# Altium PCB DIO_MCX.PCBDOC (part 2 of 3)
Units mm, origin at the board's own origin, x right, y up, seen from the top; angles counter-clockwise.
Board outline 159.99 x 100 mm, 4 copper layers (L1, P2, P3, L4), stack 1.571 mm thick; 224 components, 126 nets, 876 pads, 343 vias.
Unrouted connection lines stored in the file: 1.
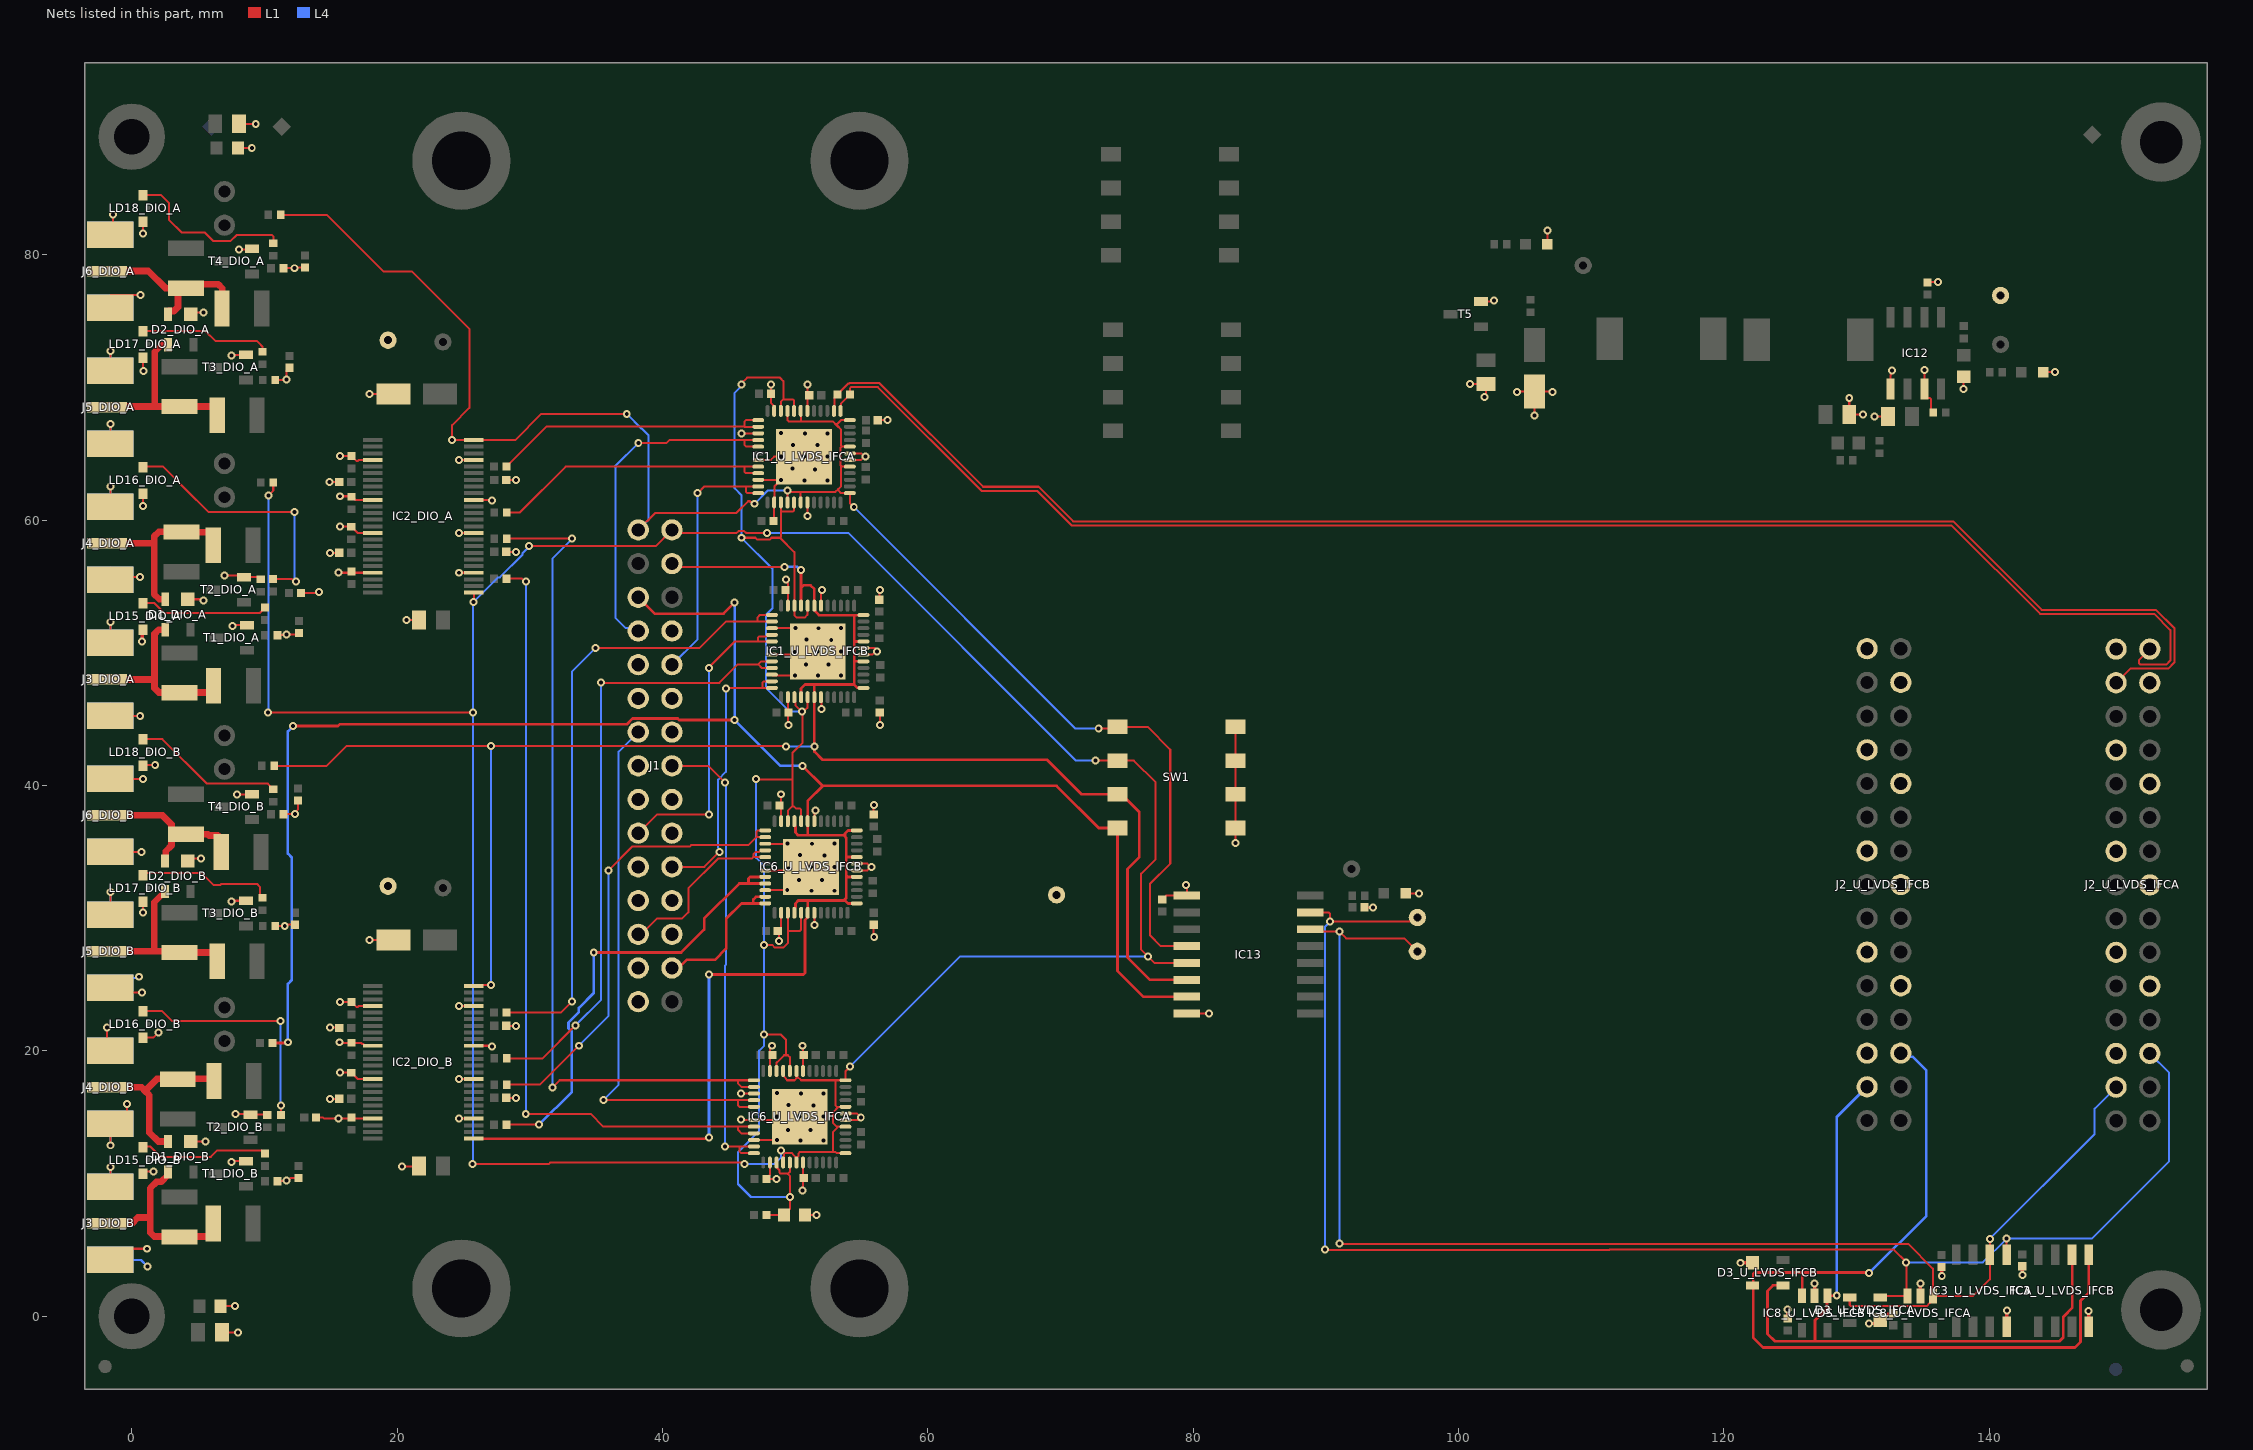
[diagram p4: the nets of this part, all layers, seen from the top]

## Part data
B1 B3 B4 B5 B6 B7 B8 B9_DIO_A B9_DIO_B B10_DIO_A B10_DIO_B: library part PLATED_HOLE0.6_PAD1.3, "Single Terminal Socket", Author="CERN DEM MR", ComponentHeight=0mm, Component Type="Standard (No BOM)", CreateDate=02.03.2016, Family="Plated Hole", HelpURL=Undefined, LatestRevisionDate=02.03.2016, Mounted=No, PackageDescription="Plated Through Hole: Hole Dia.=0.6mm Pad Dia.=1.3mm", Part Description="Plated Through Hole: Hole Dia.=0.6mm Pad Dia.=1.3mm", Part Number=PLATED_HOLE0.6_PAD1.3, Pin Count=1, Sense=No, SMD=No, Socket=No, Status=None
B13 B14: library part PLATED_HOLE2.7_PAD5.0, "Single Terminal Socket", Author="CERN DEM JMW", ComponentHeight=0mm, Component Type="Standard (No BOM)", CreateDate=27.09.2011, Family="Plated Hole", HelpURL=Undefined, LatestRevisionDate=27.09.2011, Mounted=No, PackageDescription="Plated Through Hole: Hole Dia.=2.7mm Pad Dia.=5.0mm", Part Description="Plated Through Hole: Hole Dia.=2.7mm Pad Dia.=5.0mm", Part Number=PLATED_HOLE2.7_PAD5.0, Pin Count=1, Sense=No, SMD=No, Socket=No, Status=None
C1_U_LVDS_IFCA C1_U_LVDS_IFCB C2_U_LVDS_IFCA C2_U_LVDS_IFCB C3_U_LVDS_IFCA C3_U_LVDS_IFCB C4_U_LVDS_IFCA C4_U_LVDS_IFCB C7_U_LVDS_IFCA C7_U_LVDS_IFCB C8_U_LVDS_IFCA C8_U_LVDS_IFCB C9_U_LVDS_IFCA C9_U_LVDS_IFCB C10_U_LVDS_IFCA C10_U_LVDS_IFCB C11_U_LVDS_IFCA C11_U_LVDS_IFCB C15_U_LVDS_IFCA C15_U_LVDS_IFCB C21_DIO_A C21_DIO_B C22_DIO_A C22_DIO_B C23_DIO_A C23_DIO_B C24_DIO_A C24_DIO_B C37 C38 C48_DIO_A C48_DIO_B C49_DIO_A C49_DIO_B C50_DIO_A C50_DIO_B C51_DIO_A C51_DIO_B C93: library part CC0402_100NF_16V_10%_X5R, "Non-polarised capacitor", Case=0402, Manufacturer=GENERIC, Manufacturer1 ComponentHeight=0.55mm, Manufacturer1 Example=MURATA, Manufacturer1 Part Number=GRM155R61C104KA88D, Tolerance=±10%, Voltage=16V, Author="CERN DEM JLC", Component Type=Standard, CreateDate=10.12.2013, HelpURL=\\cern.ch\dfs\Applications\Altium\Datasheets\CC0402_X5R_MURATA_GRM.pdf, LatestRevisionDate=10.12.2013, Manufacturer Part Number=CC0402_100NF_16V_10%_X5R, Mounted=Yes, Part Description="SMD Multilayer Chip Ceramic Capacitor", Part Number=CC0402_100NF_16V_10%_X5R, Pin Count=2, Sense=No, SMD=Yes, Socket=No, Status=None, TC=X5R
C5 C6: library part CC0805_NO-VALUE, "Non-polarised capacitor", Case=0805, Manufacturer1 ComponentHeight=1.35mm, Author="CERN DEM JLC", Component Type=Standard, CreateDate=10.12.2008, HelpURL=Undefined, LatestRevisionDate=11.09.2013, Manufacturer=Undefined, Manufacturer Part Number=CC0805_NO-VALUE, Mounted=No, Part Description="Reserved Footprint For 0805(2012) Chip Ceramic Capacitor", Part Number=CC0805_NO-VALUE, Pin Count=2, Sense=No, SMD=Yes, Socket=No, Status=None
C12_DIO_A C12_DIO_B C14 C121 C123: library part CC0805_22UF_16V_10%_X5R, "Non-polarised capacitor", Case=0805, Manufacturer=GENERIC, Manufacturer1 ComponentHeight=1.35mm, Manufacturer1 Example=TDK, Manufacturer1 Part Number=C2012X5R1C226KT, Tolerance=±10%, Voltage=16V, Author="CERN DEM JLC", Component Type=Standard, CreateDate=25.10.2012, HelpURL=\\cern.ch\dfs\Applications\Altium\Datasheets\CC0805_X5R_TDK_C.pdf, LatestRevisionDate=25.10.2012, Manufacturer Part Number=CC0805_22UF_16V_10%_X5R, Mounted=Yes, Part Description="SMD Multilayer Chip Ceramic Capacitor", Part Number=CC0805_22UF_16V_10%_X5R, Pin Count=2, Sense=No, SMD=Yes, Socket=No, Status=Preferred, TC=X5R
C13 C52_DIO_A C52_DIO_B: library part CAE430-540_10UF_16V_20%, "Polarised capacitor", Case=B, Manufacturer=PANASONIC, Manufacturer Part Number=EEEFK1C100AR, Tolerance=±20%, Voltage=16V, Author="CERN DEM JLC", ComponentHeight=5.8mm, Component Type=Standard, CreateDate=03.12.2007, HelpURL=\\cern.ch\dfs\Applications\Altium\Datasheets\CAE_PANASONIC_FK.pdf, LatestRevisionDate=05.11.2014, Mounted=Yes, Part Description="Aluminum Electrolytic SMT Capacitor", Part Number=CAE430-540_10UF_16V_20%, Pin Count=2, Sense=No, SMD=Yes, Socket=No, Status="Not Recommended"
C94: library part CC0603_150PF_50V_1%_NP0, "Non-polarised capacitor", Case=0603, Manufacturer=GENERIC, Manufacturer1 ComponentHeight=0.7mm, Manufacturer1 Example=PHYCOMP, Manufacturer1 Part Number=CC0603FRNPO9BN151, Tolerance=±1%, Voltage=50V, Author="CERN DEM MR", Component Type=Standard, CreateDate=17.02.2016, HelpURL=\\cern.ch\dfs\Applications\Altium\Datasheets\CC0805_NP0_PHYCOMP_16VTO50V.pdf, LatestRevisionDate=17.02.2016, Manufacturer Part Number=CC0603_150PF_50V_1%_NP0, Mounted=Yes, Part Description="SMD Multilayer Chip Ceramic Capacitor", Part Number=CC0603_150PF_50V_1%_NP0, Pin Count=2, Sense=No, SMD=Yes, Socket=No, Status=None, TC=C0G/NP0
C95: library part CC0603_3.9NF_50V_5%_X7R, "Non-polarised capacitor", Case=0603, Manufacturer=GENERIC, Manufacturer1 ComponentHeight=0.87mm, Manufacturer1 Example=PHYCOMP, Manufacturer1 Part Number=223858615631, Tolerance=±5%, Voltage=50V, Author="CERN DEM JLC", Component Type=Standard, CreateDate=03.12.2007, HelpURL=\\cern.ch\dfs\Applications\Altium\Datasheets\CC0603_X7R_PHYCOMP.pdf, LatestRevisionDate=03.12.2007, Manufacturer Part Number=CC0603_3.9NF_50V_5%_X7R, Mounted=Yes, Part Description="SMD Multilayer Chip Ceramic Capacitor", Part Number=CC0603_3.9NF_50V_5%_X7R, Pin Count=2, Sense=No, SMD=Yes, Socket=No, Status=Preferred, TC=X7R
D1_DIO_A D1_DIO_B D2_DIO_A D2_DIO_B D3_U_LVDS_IFCA D3_U_LVDS_IFCB: "Ultra Low Capacitance Double Rail-to-Rail ESD Protection Diode", Case=SOT143B, Manufacturer="NXP SEMICONDUCTORS", Voltage=5.5V, Author="CERN DEM JLC", Bonding=No, Component Type=Standard, ComponentHeight=1.1mm, CreateDate=22.03.2011, Device=PRTR5V0U2X, HelpURL=\\cern.ch\dfs\Applications\Altium\Datasheets\PRTR5V0U2X.pdf, LatestRevisionDate=22.03.2011, Manufacturer Part Number=PRTR5V0U2X, Mounted=Yes, PackageDescription="SOT143B, SOT, 1.90mm Pitch; 4 Pin, 1.30mm W X 2.90mm L X 1.10mm H body, IPC Medium Density", Part Description="Ultra Low Capacitance (1pF) Double Rail-to-Rail ESD Protection Diode (8kV)", Part Number=PRTR5V0U2X, Pin Count=4, PressFit=No, Sense=No, SMD=Yes, Socket=No
FTG1 FTG2 FTG17: library part FIDUCIAL_TARGET_C100-200, "Fiducial Target", Author="CERN DEM JLC", ComponentHeight=0mm, Component Type="Standard (No BOM)", CreateDate=09.02.2010, Family=Fiducial, HelpURL=Undefined, LatestRevisionDate=04.04.2012, Mounted=No, PackageDescription="Round Fiducial Target, Top Layer, 1.0mm, Top Solder 2.0mm, Keepout =2.0mm", Part Description="Round Fiducial Target, Top Layer, 1.0mm, Top Solder 2.0mm, Keepout =2.0mm", Part Number=FIDUCIAL_TARGET_C100-200, Pin Count=1, Sense=No, SMD=Yes, Socket=No, Status=None
FTG18 FTG19 FTG20: library part FIDUCIAL_TARGET_S100-200, "Fiducial Target", Author="CERN DEM JLC", ComponentHeight=0mm, Component Type="Standard (No BOM)", CreateDate=09.02.2010, Family=Fiducial, HelpURL=Undefined, LatestRevisionDate=04.04.2012, Mounted=No, PackageDescription="Square Fiducial Target, Top Layer, 1.0mm, Top Solder 2.0mm, Keepout =2.0mm", Part Description="Square Fiducial Target, Top Layer, 1.0mm, Top Solder 2.0mm, Keepout =2.0mm", Part Number=FIDUCIAL_TARGET_S100-200, Pin Count=1, Sense=No, SMD=Yes, Socket=No, Status=None
IC1_U_LVDS_IFCA IC1_U_LVDS_IFCB IC6_U_LVDS_IFCA IC6_U_LVDS_IFCB: "4-Channel Half-Duplex M-LVDS Line Transceiver", Case=QFN48, Manufacturer="TEXAS INSTRUMENTS", Author="CERN DEM JLC", Bonding=No, ComponentHeight=1mm, Component Type=Standard, CreateDate=17.03.2011, Device=SN65MLVD040RGZT, HelpURL=\\cern.ch\dfs\Applications\Altium\Datasheets\SN65MLVD040RGZT.pdf, LatestRevisionDate=17.03.2011, Manufacturer Part Number=SN65MLVD040RGZT, Mounted=Yes, PackageDescription="QFN, 0.50mm Pitch, Square; 48 Pin, 7.00mm L X 7.00mm W X 1mm H body (W/Thermal Tab 4.2mm X 4.2mm), IPC Medium Density", Part Description="4-Channel Half-Duplex M-LVDS Line Transceiver", Part Number=SN65MLVD040RGZT, Pin Count=49, PressFit=No, Sense=No, SMD=Yes, Socket=No
IC2_DIO_A IC2_DIO_B: "Low Voltage 16-Bit Transceiver with 3-STATE Outputs and 25 Ohm Series Resistors in A Port Outputs", Case=TSSOP48, Manufacturer="FAIRCHILD SEMICONDUCTOR", Author="CERN DEM MR", Bonding=No, ComponentHeight=1.2mm, Component Type=Standard, CreateDate=06.12.2016, Device=74LVT162245MTD, HelpURL=\\cern.ch\dfs\Applications\Altium\Datasheets\74LVT162245MTD.pdf, LatestRevisionDate=06.12.2016, Manufacturer Part Number=74LVT162245MTD, Mounted=Yes, PackageDescription="SOP, 48-Leads, Body 12.6x6.2mm (max), Pitch 0.50mm, IPC Medium Density", Part Description="Low Voltage 16-Bit Transceiver with 3-STATE Outputs and 25 Ohm Series Resistors in A Port Outputs", Part Number=74LVT162245MTD, Pin Count=48, PressFit=No, Sense=No, SMD=Yes, Socket=No
IC3_U_LVDS_IFCA IC3_U_LVDS_IFCB: "1.7V-5.5V, 2K I2C™ Serial EEPROMs with EUI-48™ Node Identity", Manufacturer Part Number=24AA02E48-I/SN
IC8_U_LVDS_IFCA IC8_U_LVDS_IFCB: "1.7V-5.5V, 2K I2C Serial EEPROM With EUI-48 Node Identity", Case=SOT23-5, Manufacturer="MICROCHIP TECHNOLOGY", Author="CERN DEM MR", Bonding=No, ComponentHeight=1.45mm, Component Type=Standard, CreateDate=31.03.2016, Device=24AA02E48T-I/OT, HelpURL=\\cern.ch\dfs\Applications\Altium\Datasheets\24AA02E48T-I-OT.pdf, LatestRevisionDate=31.03.2016, Manufacturer Part Number=24AA02E48T-I/OT, Mounted=Yes, PackageDescription="SOT, 0.95mm pitch; 5 pin, 1.60mm W X 2.90mm L X 1.45mm H body, IPC Medium Density", Part Description="1.7V-5.5V, 2K I2C Serial EEPROM With EUI-48 Node Identity", Part Number=24AA02E48T-I/OT, Pin Count=5, PressFit=No, Sense=No, SMD=Yes, Socket=No
IC12: "Synchronous PWM Switching Converter", Case=SOIC8, Manufacturer="ON SEMICONDUCTOR", Author="CERN DEM MR", Bonding=No, ComponentHeight=1.75mm, Component Type=Standard, CreateDate=30.05.2016, Device=NCP3170ADR2G, HelpURL=\\cern.ch\dfs\Applications\Altium\Datasheets\NCP3170ADR2G.pdf, LatestRevisionDate=30.05.2016, Manufacturer Part Number=NCP3170ADR2G, Mounted=Yes, PackageDescription="SOIC 8, Pitch 1.27mm - Body 4x5mm, IPC Medium Density", Part Description="Synchronous PWM Switching Converter", Part Number=NCP3170ADR2G, Pin Count=8, PressFit=No, Sense=No, SMD=Yes, Socket=No
IC13: "Remote 8-bit I/O Expander For I2C Bus", Case=SOIC16W, Manufacturer="TEXAS INSTRUMENTS", Author="CERN DEM JLC", Bonding=No, ComponentHeight=2.65mm, Component Type=Standard, CreateDate=01.11.2012, Device=PCF8574ADW, HelpURL=\\cern.ch\dfs\Applications\Altium\Datasheets\PCF8574ADW.pdf, LatestRevisionDate=01.11.2012, Manufacturer Part Number=PCF8574ADW, Mounted=Yes, PackageDescription="SOIC 16, Pitch 1.27mm - Body 7.5x10.3mm, IPC Medium Density", Part Description="Remote 8-bit I/O Expander For I2C Bus", Part Number=PCF8574ADW, Pin Count=16, PressFit=No, Sense=No, SMD=Yes, Socket=No
J1 J2_U_LVDS_IFCA J2_U_LVDS_IFCB: library part 3M_N2530-6002RB, "Connector 30 Male", Manufacturer=3M, Manufacturer Part Number=N2530-6002RB, Author="CERN DEM JLC", ComponentHeight=10.03mm, Component Type=Standard, CreateDate=11.02.2009, Family="Header 30", HelpURL=\\cern.ch\dfs\Applications\Altium\Datasheets\3M_N2530-6002RB.pdf, LatestRevisionDate=11.08.2009, Mounted=Yes, Part Description="30 Contacts - Straight .100'' x .100'' Low Profile Four-Wall Header, 2500 Series", Part Number=3M_N2530-6002RB, Pin Count=30, PressFit=No, Sense=No, SMD=No, Socket=No, Status=None
J3_DIO_A J3_DIO_B J4_DIO_A J4_DIO_B J5_DIO_A J5_DIO_B J6_DIO_A J6_DIO_B: library part CON_MCX_133-3701-801, "MCX 50 OhmEnd Launch Jack Receptacle -Round C ontact", Manufacturer=Belfuse/Cinch, Manufacturer Part Number=133-3701-806, Part Number=Belfuse_133-3701-806, Author=GK, ComponentHeight=6mm, Component Type=Standard, CreateDate=31.01.2019, Family=MCX, HelpURL=\\cern.ch\dfs\Applications\Altium\Datasheets\AMPHENOL_919-383J-51A.pdf, LatestRevisionDate=31.01.2019, Mounted=Yes, Part Description="50 Ohm, RF Connector, MCX Right Angle PCB Receptacle Jack", Pin Count=5, PressFit=No, Sense=No, SMD=Yes, Socket=No, Status=None
L1 L6: library part IND_4.7UH_30%_BOURNS_SRU8043, "Power Shielded  4.7uH 30% 4.6A", Manufacturer=BOURNS, Manufacturer Part Number=SRU8043-4R7Y, Power=4.6A, Resistance=0.0174R, Tolerance=±30%, Author=GK, ComponentHeight=4.6mm, Component Type=Standard, CreateDate=06.08.2015, HelpURL=\\cern.ch\dfs\Applications\Altium\Datasheets\IND_BOURNS_SRU8043.pdf, LatestRevisionDate=06.08.2015, Mounted=Yes, Part Description="Shielded SMD Power Inductor", Part Number=IND_4.7UH_30%_BOURNS_SRU8043, Pin Count=2, Sense=No, SMD=Yes, Socket=No, Status=None
LD1 LD2 LD3 LD5: library part LED_DIALIGHT_551-1307F, "LED Green 1C 2A", Manufacturer=DIALIGHT, Manufacturer Part Number=551-1307F, Author="CERN DEM JLC", Bonding=No, Color=Green, Component Type=Standard, ComponentHeight=7.11mm, CreateDate=13.01.2009, HelpURL=\\cern.ch\dfs\Applications\Altium\Datasheets\LED_DIALIGHT_551-1307F.pdf, LatestRevisionDate=17.03.2010, Mounted=Yes, PackageDescription="Single 3mm Green LED, Body 6.35x4.32mm, Pin spacing 2.54mm", Part Description="Single 3mm Green LED CBI® Circuit Board Indicator", Part Number=LED_DIALIGHT_551-1307F, Pin Count=2, PressFit=No, Sense=No, SMD=No, Socket=No
LD4 LD7 LD9: library part LED_KINGBRIGHT_KPH-1608CGCK, "LED Green 1C 2A", Manufacturer=KINGBRIGHT, Manufacturer Part Number=KPH-1608CGCK, Author="CERN DEM JLC", Bonding=No, Color=Green, ComponentHeight=0.65mm, Component Type=Standard, CreateDate=03.07.2017, HelpURL=\\cern.ch\dfs\Applications\Altium\Datasheets\LED_KINGBRIGHT_KPH-1608CGCK.pdf, LatestRevisionDate=03.07.2017, Mounted=Yes, PackageDescription="SMT Green LED, Case 0603, Body L 1.6 x W 0.8mm H 0.65mm", Part Description="SMD Green LED, Case 1.6mmX0.8mm(0603), 0.65mm Thickness", Part Number=LED_KINGBRIGHT_KPH-1608CGCK, Pin Count=2, PressFit=No, Sense=No, SMD=Yes, Socket=No
LD15_DIO_A LD15_DIO_B LD16_DIO_A LD16_DIO_B LD17_DIO_A LD17_DIO_B LD18_DIO_A LD18_DIO_B: library part LED_AVAGO_HSME-C120, "LED Green 1C 2A", Manufacturer="AVAGO TECHNOLOGIES", Manufacturer Part Number=HSME-C120, Author="CERN DEM JMW", Bonding=No, Color=Green, ComponentHeight=0.7mm, ComponentLink1Description="Design Guide", ComponentLink1URL=\\cern.ch\dfs\Applications\Altium\Datasheets\LED_AVAGO_HSME-C110_DESIGN-GUIDE.pdf, Component Type=Standard, CreateDate=22.07.2009, HelpURL=\\cern.ch\dfs\Applications\Altium\Datasheets\LED_AVAGO_HSME-C120.pdf, LatestRevisionDate=20.06.2012, Mounted=Yes, PackageDescription="Green Chip LED, 2-Leads, Body 1.7x1.1mm, Side Emitting Package", Part Description="High Performance Right Angle Chip Green LED", Part Number=LED_AVAGO_HSME-C120, Pin Count=2, PressFit=No, Sense=No, SMD=Yes, Socket=No
LP1 LP2 LP3_DIO_A LP3_DIO_B LP4_DIO_A LP4_DIO_B LP5_DIO_A LP5_DIO_B LP6_DIO_A LP6_DIO_B LP7 LP8: library part "LED Light_pipe_2.3x8mm", "LED Light_pipe_2.3x8mm", Manufacturer=FIX&FASTEN, Manufacturer Part Number=FIX-LEMB2-8V0-F, Part Number=FIX&FASTEN-LEMB2-8V0-F, Author=GK, Bonding=No, ComponentHeight=2.3mm, Component Type=Standard, CreateDate=24.01.2017, HelpURL=\\cern.ch\dfs\Applications\Altium\Datasheets\LEDLP_DIALIGHT_515-1049F.pdf, LatestRevisionDate=24.01.2017, Mounted=Yes, PackageDescription="Right Angle Single Element 2.3mmx8mm Round Lightpipe", Part Description="Right Angle Single Element 2.3x8mm Round Lightpipe", Pin Count=0, PressFit=No, Sense=No, SMD=No, Socket=No
R1 R2 R3_DIO_A R3_DIO_B R4_DIO_A R4_DIO_B R18_DIO_A R18_DIO_B R25_DIO_A R25_DIO_B R32 R33 R68: library part R0402_1K_1%_0.0625W_100PPM, "Resistor - 1%", Case=0402, Manufacturer=GENERIC, Manufacturer1 ComponentHeight=0.4mm, Manufacturer1 Example="YAGEO PHYCOMP", Manufacturer1 Part Number=232270671002L, Power=0.0625W, Tolerance=±1%, Author="CERN DEM JLC", Component Type=Standard, CreateDate=03.12.2007, HelpURL=\\cern.ch\dfs\Applications\Altium\Datasheets\R0402_Phycomp_RC0402.pdf, LatestRevisionDate=17.10.2012, Manufacturer Part Number=R0402_1K_1%_0.0625W_100PPM, Mounted=Yes, Part Description="General Purpose Thick Film Chip Resistor", Part Number=R0402_1K_1%_0.0625W_100PPM, Pin Count=2, PressFit=No, Sense=No, SMD=Yes, Socket=No, Status="Not Recommended", TC=±100ppm/°C
R5_U_LVDS_IFCA R5_U_LVDS_IFCB R7_U_LVDS_IFCA R7_U_LVDS_IFCB R9_U_LVDS_IFCA R9_U_LVDS_IFCB R11_U_LVDS_IFCA R11_U_LVDS_IFCB R13_U_LVDS_IFCA R13_U_LVDS_IFCB R16_U_LVDS_IFCA R16_U_LVDS_IFCB R21_U_LVDS_IFCA R21_U_LVDS_IFCB R24_U_LVDS_IFCA R24_U_LVDS_IFCB: library part R0402_100R_1%_0.1W_100PPM, "Resistor - 1%", Case=0402, Manufacturer=GENERIC, Manufacturer1 ComponentHeight=0.4mm, Manufacturer1 Example=PANASONIC, Manufacturer1 Part Number=ERJ2RKF1000X, Manufacturer Part Number=R0402_100R_1%_0.1W_100PPM_50V, Power=0.1W, Tolerance=±1%, Voltage=50V, Author="CERN DEM JLC", Component Type=Standard, CreateDate=12.12.2013, HelpURL=\\cern.ch\dfs\Applications\Altium\Datasheets\R0402_PANASONIC_ERJ2RK.pdf, LatestRevisionDate=03.03.2015, Mounted=Yes, Part Description="General Purpose Thick Film Chip Resistor", Part Number=R0402_100R_1%_0.1W_100PPM, Pin Count=2, Sense=No, SMD=Yes, Socket=No, Status="Not recommended", TC=±100ppm/°C
R6 R19_DIO_A R19_DIO_B R20_DIO_A R20_DIO_B R22_DIO_A R22_DIO_B R23_DIO_A R23_DIO_B R30 R104 R105 R140_DIO_A R140_DIO_B R143_DIO_A R143_DIO_B R146_DIO_A R146_DIO_B R149_DIO_A R149_DIO_B: library part R0402_10K_1%_0.0625W_100PPM, "Resistor - 1%", Case=0402, Manufacturer=GENERIC, Manufacturer1 ComponentHeight=0.4mm, Manufacturer1 Example="YAGEO PHYCOMP", Manufacturer1 Part Number=232270671003L, Power=0.0625W, Tolerance=±1%, Author="CERN DEM JLC", Component Type=Standard, CreateDate=03.12.2007, HelpURL=\\cern.ch\dfs\Applications\Altium\Datasheets\R0402_Phycomp_RC0402.pdf, LatestRevisionDate=17.10.2012, Manufacturer Part Number=R0402_10K_1%_0.0625W_100PPM, Mounted=Yes, Part Description="General Purpose Thick Film Chip Resistor", Part Number=R0402_10K_1%_0.0625W_100PPM, Pin Count=2, Sense=No, SMD=Yes, Socket=No, TC=±100ppm/°C
  R6 R19_DIO_A R19_DIO_B R20_DIO_A R20_DIO_B R22_DIO_A R22_DIO_B R23_DIO_A R23_DIO_B R30 R140_DIO_A R140_DIO_B R143_DIO_A R143_DIO_B R146_DIO_A R146_DIO_B R149_DIO_A R149_DIO_B: Status="Not recommended"
  R104 R105: PressFit=No, Status="Not Recommended"
R8 R10: library part R0402_1k_1%_0.0625W_100PPM, "Resistor - 1%", Case=0402, Manufacturer=GENERIC, Manufacturer1 ComponentHeight=0.4mm, Manufacturer1 Example="YAGEO PHYCOMP", Manufacturer1 Part Number=232270671002L, Manufacturer Part Number=R0402_1K_1%_0.0625W_100PPM, Power=0.0625W, Tolerance=±1%, Author="CERN DEM JLC", Component Type=Standard, CreateDate=03.12.2007, HelpURL=\\cern.ch\dfs\Applications\Altium\Datasheets\R0402_Phycomp_RC0402.pdf, LatestRevisionDate=17.10.2012, Mounted=Yes, Part Description="General Purpose Thick Film Chip Resistor", Part Number=R0402_1K_1%_0.0625W_100PPM, Pin Count=2, PressFit=No, Sense=No, SMD=Yes, Socket=No, Status="Not Recommended", TC=±100ppm/°C
R12_DIO_A R12_DIO_B R14_DIO_A R14_DIO_B R15_DIO_A R15_DIO_B R17_DIO_A R17_DIO_B: library part R1210_30R_5%_0.5W_200PPM, "Resistor - 5%", Case=1210, Manufacturer=VISHAY, Manufacturer Part Number=CRCW121030R0JNEA, Part Number=R1210_30R_5%_0.5W_200ppm, Power=0.5W, Tolerance=±5%, Author="CERN DEM JMW", ComponentHeight=0.6mm, Component Type=Standard, CreateDate=06.08.2014, HelpURL=\\cern.ch\dfs\Applications\Altium\Datasheets\R1210_VISHAY_CRCW1210.pdf, LatestRevisionDate=06.08.2014, Mounted=Yes, Part Description="Thick Film Chip Resistor", Pin Count=2, PressFit=No, Sense=No, SMD=Yes, Socket=No, Status=None, TC=±200ppm/°C
R26_DIO_A R26_DIO_B R27_DIO_A R27_DIO_B R28_DIO_A R28_DIO_B R29_DIO_A R29_DIO_B: library part R0402_22R_1%_0.0625W_100PPM, "Resistor - 1%", Case=0402, Manufacturer=GENERIC, Manufacturer1 ComponentHeight=0.4mm, Manufacturer1 Example="YAGEO PHYCOMP", Manufacturer1 Part Number=232270672209L, Power=0.0625W, Tolerance=±1%, Author="CERN DEM JLC", Component Type=Standard, CreateDate=03.12.2007, HelpURL=\\cern.ch\dfs\Applications\Altium\Datasheets\R0402_Phycomp_RC0402.pdf, LatestRevisionDate=17.10.2012, Manufacturer Part Number=R0402_22R_1%_0.0625W_100PPM, Mounted=Yes, Part Description="General Purpose Thick Film Chip Resistor", Part Number=R0402_22R_1%_0.0625W_100PPM, Pin Count=2, PressFit=No, Sense=No, SMD=Yes, Socket=No, Status="Not Recommended", TC=±100ppm/°C
R31 R34 R35: library part R0603_0R_JUMPER, "Resistor", Case=0603, Manufacturer=GENERIC, Manufacturer1 ComponentHeight=0.55mm, Manufacturer1 Example="NIC COMPONENT", Manufacturer1 Part Number=NRC06Z0, Author="CERN DEM JLC", Component Type=Standard, CreateDate=03.12.2007, HelpURL=\\cern.ch\dfs\Applications\Altium\Datasheets\R0603_NIC_NRC.pdf, LatestRevisionDate=13.03.2008, Manufacturer Part Number=R0603_0R_JUMPER, Mounted=Yes, Part Description="1A (0.05R Max DC Resistance) Zero Ohm Jumper", Part Number=R0603_0R_JUMPER, Pin Count=2, PressFit=No, Sense=No, SMD=Yes, Socket=No, Status=Preferred
R101: library part R0402_27K_1%_0.0625W_100PPM, "Resistor - 1%", Case=0402, Manufacturer=GENERIC, Manufacturer1 ComponentHeight=0.4mm, Manufacturer1 Example="YAGEO PHYCOMP", Manufacturer1 Part Number=232270672703L, Power=0.0625W, Tolerance=±1%, Author="CERN DEM JLC", Component Type=Standard, CreateDate=03/12/2007, HelpURL=\\cern.ch\dfs\Applications\Altium\Datasheets\R0402_Phycomp_RC0402.pdf, LatestRevisionDate=17/10/2012, Manufacturer Part Number=R0402_27K_1%_0.0625W_100PPM, Mounted=Yes, Part Description="General Purpose Thick Film Chip Resistor", Part Number=R0402_27K_1%_0.0625W_100PPM, Pin Count=2, PressFit=No, Sense=No, SMD=Yes, Socket=No, Status="Not Recommended", TC=±100ppm/°C
R103: library part R0402_8K2_1%_0.0625W_100PPM, "Resistor - 1%", Case=0402, Manufacturer=GENERIC, Manufacturer1 ComponentHeight=0.4mm, Manufacturer1 Example="YAGEO PHYCOMP", Manufacturer1 Part Number=232270678202L, Power=0.0625W, Tolerance=±1%, Author="CERN DEM JLC", Component Type=Standard, CreateDate=03.12.2007, HelpURL=\\cern.ch\dfs\Applications\Altium\Datasheets\R0402_Phycomp_RC0402.pdf, LatestRevisionDate=17.10.2012, Manufacturer Part Number=R0402_8K2_1%_0.0625W_100PPM, Mounted=Yes, Part Description="General Purpose Thick Film Chip Resistor", Part Number=R0402_8K2_1%_0.0625W_100PPM, Pin Count=2, PressFit=No, Sense=No, SMD=Yes, Socket=No, Status="Not Recommended", TC=±100ppm/°C
R139_DIO_A R139_DIO_B R142_DIO_A R142_DIO_B R145_DIO_A R145_DIO_B R148_DIO_A R148_DIO_B: library part R1210_49R9_1%_0.5W_100PPM_VISHAY_CRCW, "Resistor - 1%", Case=1210, Manufacturer="VISHAY DRALORIC", Manufacturer Part Number=CRCW121049R9FKTA, Power=0.5W, Tolerance=±1%, Author="CERN DEM JMW", ComponentHeight=0.6mm, Component Type=Standard, CreateDate=06.08.2014, HelpURL=\\cern.ch\dfs\Applications\Altium\Datasheets\R1210_VISHAY_CRCW1210.pdf, LatestRevisionDate=06.08.2014, Mounted=Yes, Part Description="Thick Film Chip Resistor", Part Number=R1210_49R9_1%_0.5W_100PPM_VISHAY_CRCW, Pin Count=2, Sense=No, SMD=Yes, Socket=No, Status=None, TC=±100ppm/°C
ST1 ST2 ST3 ST4: library part 9774110360R, "WA-SMSI SMT Steel Spacer with internal Thread, OD 6mm, M3 x 11mm", Manufacturer="Wurth Elektronik", Operating Temperature Max=150°C, Operating Temperature Min=-55°C, Category="SMT Spacers", ComponentLink1Description="Website Link", ComponentLink1URL=https://www.we-online.com/redexpert/article/9774110360R?ad, ComponentLink2Description="Datasheet Link", ComponentLink2URL=https://www.we-online.com/redexpert/spec/9774110360R?ad, Height=11mm, Inside Diameter=4.2mm, Manufacturer Part Number=9774110360R, Match Code=WA-SMSI, Material=Steel, Mount="Surface Mount", Outside Diameter=6mm, Packaging="Tape and Reel", Surface=Tin, Thread Size=M3
SW1 SW2_DIO_A SW2_DIO_B: library part SW_OMRON_A6S-4102-H, "4 Ways SPST DIP Switch", Manufacturer=OMRON, Manufacturer Part Number=A6S-4102-H, Author="CERN DEM JMW", ComponentHeight=3.8mm, Component Type=Standard, CreateDate=25.09.2008, Family=Switch, HelpURL=\\cern.ch\dfs\Applications\Altium\Datasheets\SW_OMRON_A6S-4102-H.pdf, LatestRevisionDate=25.09.2008, Mounted=Yes, PackageDescription="Pitch 2.54mm, Body 11.3x6.4mm, 4 Ways SPST Surface-Mounting DIP Switch, OMRON A6S-H", Part Description="4 Ways SPST DIP Switch, White Flat Actuator with Seal Tape, Contact Rating 25mA 24VDC", Part Number=SW_OMRON_A6S-4102-H, Pin Count=8, PressFit=No, Sense=No, SMD=Yes, Socket=No, Status=None
T1_DIO_A T1_DIO_B T2_DIO_A T2_DIO_B T3_DIO_A T3_DIO_B T4_DIO_A T4_DIO_B T5: "N-CHANNEL MOSFET WITH DIODE", Case=SOT23-3, Manufacturer="ON SEMICONDUCTOR", Author="CERN DEM JLC", Bonding=No, ComponentHeight=1.11mm, Component Type=Standard, CreateDate=23.03.2009, Device=BSS138LT1G, HelpURL=\\cern.ch\dfs\Applications\Altium\Datasheets\BSS138LT1G.pdf, LatestRevisionDate=23.03.2009, Manufacturer Part Number=BSS138LT1G, Mounted=Yes, PackageDescription="SOT23 3-Leads, Pitch 0.95mm - Body 1.4x3mm, IPC Medium Density", Part Description="50V 200mA N-Channel Enhancement Mode Field-Effect Transistor", Part Number=BSS138LT1G, Pin Count=3, PressFit=No, Sense=No, SMD=Yes, Socket=No

## Free pads (board coordinates)
  round 6 hole 3.2: 0(152.944,0.488) 0(152.944,88.488)

## Via types
v1: diameter 0.6, hole 0.3, L1 to L4, tented both sides, 287 vias
v2: diameter 0.6, hole 0.3, L1 to L4, tented top, 56 vias

## Nets (pads, with @x,y where several pads share a name; then routed paths per layer and width w, separated by ;. In a path a pad name is that pad's centre, name@x,y a point inside that pad or via, vN(x,y) a via of type N, cw(c..) or ccw(c..) an arc to the next point about the centre after c; other vN are vias at no path point)
DIR_CTRL0: IC1_U_LVDS_IFCA.1 IC1_U_LVDS_IFCA.5 IC1_U_LVDS_IFCA.8 IC1_U_LVDS_IFCA.12 IC1_U_LVDS_IFCA.19 IC1_U_LVDS_IFCA.21 IC1_U_LVDS_IFCA.40 IC1_U_LVDS_IFCA.42 IC2_DIO_A.24 IC13.4 J1.30 R1.2 SW1.1 | length 133.1
  L1 w0.152: R1.2@11.228,83.012 14.705,83.012 18.961,78.755 21.102,78.755 25.444,74.413 25.444,68.463 24.143,67.162 v1(24.144,66.038) IC2_DIO_A.24@25.769,66.038 28.902,66.038 30.876,68.011 v1(37.306,68.011) ; J1.30@38.174,59.268 39.444,60.538 45.568,60.538 46.456,61.426 46.582,61.426 46.636,61.373 46.688,61.373 46.823,61.238 v1(46.944,61.238) ; IC1_U_LVDS_IFCA.40@49.419,61.338 49.419,62.124 49.478,62.183 49.533,62.127 50.419,62.127 ; IC1_U_LVDS_IFCA.21@49.419,68.238 49.419,67.538 49.508,67.449 50.444,67.449 ; IC1_U_LVDS_IFCA.42@50.419,61.338 50.419,62.127 ; IC1_U_LVDS_IFCA.19@50.419,68.238 50.444,68.213 50.444,67.449 ; IC1_U_LVDS_IFCA.5@54.119,64.038 53.508,64.038 ; IC1_U_LVDS_IFCA.8@54.119,65.538 53.508,65.538 ; IC1_U_LVDS_IFCA.12@54.119,67.538 53.457,67.538 53.151,67.232 53.151,67.134 ; v1(54.416,60.998) 54.391,60.998 54.119,61.271 IC1_U_LVDS_IFCA.1@54.119,62.038 53.457,62.038 53.247,62.248 53.247,62.347 ; v1(72.879,44.297) 74.168,44.297 SW1.1@74.294,44.423 76.559,44.423 78.269,42.713 78.269,34.113 76.74,32.584 76.74,28.707 77.549,27.898 IC13.4@79.519,27.898 ; 50.419,62.127 53.027,62.127 53.247,62.347 ; 50.444,67.449 52.836,67.449 53.151,67.134 ; 53.151,67.134 53.466,66.819 53.466,65.581 53.508,65.538 ; 53.247,62.347 53.466,62.566 53.466,63.996 53.508,64.038 ; 53.508,64.038 53.419,64.127 53.419,65.449 53.508,65.538
  L4 w0.152: v1(37.306,68.011) 38.406,66.911 38.444,66.911 38.944,66.411 38.944,60.038 J1.30@38.174,59.268 ; v1(46.944,61.238) 47.944,62.238 v1(49.423,62.238) ; v1(54.416,60.998) 71.117,44.297 v1(72.879,44.297)
DIR_CTRL1: IC2_DIO_A.1 IC6_U_LVDS_IFCA.1 IC6_U_LVDS_IFCA.5 IC6_U_LVDS_IFCA.8 IC6_U_LVDS_IFCA.12 IC6_U_LVDS_IFCA.19 IC6_U_LVDS_IFCA.21 IC6_U_LVDS_IFCA.40 IC6_U_LVDS_IFCA.42 IC13.5 J1.29 R2.2 SW1.2 | length 225.1
  L1 w0.152: v1(10.258,45.488) 25.701,45.488 v1(25.726,45.513) ; v1(10.304,61.865) 10.664,62.225 R2.2@10.664,62.838 ; v1(25.694,11.488) 31.45,11.488 31.55,11.588 46.105,11.588 46.194,11.499 v1(46.194,11.488) ; v1(25.769,53.838) 25.806,53.875 25.806,54.502 IC2_DIO_A.1@25.769,54.538 ; v1(29.944,58.038) 39.484,58.038 J1.29@40.714,59.268 40.944,59.038 45.595,59.038 45.736,59.179 46.152,59.179 46.293,59.038 v1(47.869,59.038) ; IC6_U_LVDS_IFCA.40@49.094,11.588 49.122,11.616 49.122,12.02 49.154,12.051 49.154,12.199 ; IC6_U_LVDS_IFCA.21@49.094,18.488 49.094,18.148 49.168,18.074 49.168,18.064 49.304,17.929 49.304,17.888 49.404,17.788 49.954,17.788 50.094,17.928 IC6_U_LVDS_IFCA.19@50.094,18.148 ; 49.243,12.288 49.755,12.288 49.844,12.199 49.844,12.188 50.02,12.012 50.02,12.002 IC6_U_LVDS_IFCA.42@50.094,11.928 ; IC6_U_LVDS_IFCA.42@50.094,11.588 IC6_U_LVDS_IFCA.42@50.094,11.928 ; IC6_U_LVDS_IFCA.19@50.094,18.488 IC6_U_LVDS_IFCA.19@50.094,18.148 ; 53.265,15.787 52.869,15.39 52.869,14.551 53.132,14.288 53.254,14.288 ; IC6_U_LVDS_IFCA.1@53.794,12.288 53.132,12.288 53.057,12.363 52.844,12.363 ; IC6_U_LVDS_IFCA.5@53.794,14.288 53.254,14.288 ; IC6_U_LVDS_IFCA.8@53.794,15.788 53.146,15.788 53.057,15.877 53.057,17.699 53.146,17.788 ; v1(54.129,18.817) 53.794,18.482 IC6_U_LVDS_IFCA.12@53.794,17.788 53.146,17.788 ; v1(72.635,41.883) SW1.2@74.294,41.883 75.527,41.883 77.169,40.241 77.169,34.455 76.077,33.363 76.077,27.63 77.079,26.628 IC13.5@79.519,26.628 ; IC6_U_LVDS_IFCA.42@50.094,11.928 50.168,12.002 50.168,12.012 50.254,12.098 50.254,12.274 50.343,12.363 52.844,12.363 ; IC6_U_LVDS_IFCA.19@50.094,18.148 50.168,18.074 50.168,18.064 50.444,17.788 53.146,17.788 ; 52.844,12.363 52.844,13.878 53.254,14.288
  L4 w0.152: v1(10.258,45.488) 10.304,45.534 v1(10.304,61.865) ; v1(25.694,11.488) 25.726,11.52 v1(25.726,45.513) 25.726,53.795 v1(25.769,53.838) 27.626,55.695 27.736,55.695 29.447,57.406 29.447,57.516 29.944,58.013 v1(29.944,58.038) ; v1(46.194,11.488) 48.443,11.488 48.944,11.989 v1(48.944,12.488) ; v1(47.869,59.038) 54.008,59.038 71.163,41.883 v1(72.635,41.883) ; v1(54.129,18.817) 62.442,27.129 v1(76.578,27.129)
DIR_CTRL2: IC1_U_LVDS_IFCB.1 IC1_U_LVDS_IFCB.5 IC1_U_LVDS_IFCB.8 IC1_U_LVDS_IFCB.12 IC1_U_LVDS_IFCB.19 IC1_U_LVDS_IFCB.21 IC1_U_LVDS_IFCB.40 IC1_U_LVDS_IFCB.42 IC2_DIO_B.24 IC13.6 J1.27 R33.2 SW1.3 | length 140.1
  L1 w0.152: R33.2@10.744,41.488 14.694,41.488 16.194,42.988 v1(27.065,42.988) 49.256,42.988 v1(49.306,42.938) ; IC2_DIO_B.24@25.769,24.888 25.843,24.962 26.475,24.962 26.489,24.976 v1(27.065,24.976) ; J1.27@40.714,56.728 40.954,56.488 v1(49.194,56.488)
  L1 w0.203: IC1_U_LVDS_IFCB.40@50.444,46.658 50.444,47.306 50.746,47.608 51.492,47.608 ; IC1_U_LVDS_IFCB.21@50.444,53.558 50.444,54.896 ; v1(50.444,56.235) 50.444,54.896 ; IC1_U_LVDS_IFCB.1@55.144,47.358 55.125,47.377 54.675,47.377 54.444,47.608 ; IC1_U_LVDS_IFCB.5@55.144,49.358 54.444,49.358 ; IC1_U_LVDS_IFCB.8@55.144,50.858 54.444,50.858 ; IC1_U_LVDS_IFCB.12@55.144,52.858 55.125,52.84 54.757,52.84 54.748,52.831 54.444,52.831 ; IC13.6@79.519,25.358 76.74,25.358 75.044,27.054 75.044,33.713 75.944,34.613 75.944,37.988 74.589,39.343 SW1.3@74.294,39.343 71.589,39.343 68.987,41.945 52.044,41.945 51.44,42.549 v1(51.44,42.938) 51.44,45.982 51.444,45.986 IC1_U_LVDS_IFCB.42@51.444,46.658 51.444,47.56 51.492,47.608 ; 50.444,54.896 50.636,55.088 51.169,55.088 51.444,54.813 IC1_U_LVDS_IFCB.19@51.444,53.558 51.444,53.232 51.492,53.184 51.492,53.16 51.694,52.958 51.694,52.95 51.813,52.831 54.444,52.831 ; 51.492,47.608 54.444,47.608 ; 54.444,47.608 54.444,49.358 ; 54.444,49.358 54.444,50.858 ; 54.444,50.858 54.444,52.831
  L4 w0.152: v1(27.065,24.976) v1(27.065,42.988) ; v1(49.306,42.938) v1(51.44,42.938)
  L4 w0.203: v1(49.194,56.488) 50.127,56.488 50.38,56.235 v1(50.444,56.235)
DIR_CTRL3: IC2_DIO_B.1 IC6_U_LVDS_IFCB.1 IC6_U_LVDS_IFCB.5 IC6_U_LVDS_IFCB.8 IC6_U_LVDS_IFCB.12 IC6_U_LVDS_IFCB.19 IC6_U_LVDS_IFCB.21 IC6_U_LVDS_IFCB.40 IC6_U_LVDS_IFCB.42 IC13.7 J1.26 R32.2 SW1.4 | length 190.2
  L1 w0.203: R32.2@10.602,20.594 11.709,20.594 v1(11.767,20.653) ; v1(12.166,44.488) 15.547,44.488 15.673,44.614 37.306,44.614 37.748,45.057 41.14,45.057 41.251,44.945 v1(45.444,44.945) ; IC2_DIO_B.1@25.769,13.388 43.191,13.388 43.202,13.399 43.432,13.399 v1(43.508,13.475) ; J1.26@38.174,54.188 39.412,52.95 44.599,52.95 v1(45.444,53.795) ; v1(43.508,25.761) 50.627,25.761 50.746,25.88 50.746,29.865 50.896,30.015 50.896,30.039 50.944,30.087 IC6_U_LVDS_IFCB.42@50.944,30.413 50.944,31.328 ; IC6_U_LVDS_IFCB.40@49.944,30.413 49.944,30.739 50.018,30.813 50.018,31.113 50.233,31.328 50.944,31.328 ; IC6_U_LVDS_IFCB.21@49.944,37.313 49.944,36.987 50.02,36.911 50.02,36.453 50.22,36.253 50.944,36.253 ; v1(50.569,41.488) 52.079,39.978 ; IC6_U_LVDS_IFCB.1@54.644,31.113 53.982,31.113 53.751,31.343 53.751,31.421 ; IC6_U_LVDS_IFCB.5@54.644,33.113 53.982,33.113 53.844,33.251 ; IC6_U_LVDS_IFCB.8@54.644,34.613 53.888,34.613 53.844,34.657 ; IC6_U_LVDS_IFCB.12@54.644,36.613 53.982,36.613 53.749,36.381 53.749,36.158 ; IC13.7@79.519,24.088 76.227,24.088 74.294,26.021 SW1.4@74.294,36.803 72.879,36.803 69.704,39.978 52.079,39.978 ; 50.944,31.328 53.659,31.328 53.751,31.421 ; 50.944,36.253 53.654,36.253 53.749,36.158 ; 50.944,36.253 IC6_U_LVDS_IFCB.19@50.944,37.313 50.944,38.843 52.079,39.978 ; 53.749,36.158 53.844,36.063 53.844,34.657 ; 53.751,31.421 53.844,31.513 53.844,33.251 ; 53.844,33.251 53.844,34.657
  L4 w0.203: v1(11.767,20.653) 11.767,25.052 12.059,25.344 12.059,34.571 11.767,34.863 11.767,44.09 v1(12.166,44.488) ; v1(43.508,13.475) v1(43.508,25.761) ; v1(45.444,53.795) v1(45.444,44.945) 48.901,41.488 v1(50.569,41.488)
FSEN_U_LVDS_IFCA: IC1_U_LVDS_IFCA.20 IC1_U_LVDS_IFCA.22 IC1_U_LVDS_IFCA.39 IC1_U_LVDS_IFCA.41 IC1_U_LVDS_IFCB.20 IC1_U_LVDS_IFCB.22 IC1_U_LVDS_IFCB.39 IC1_U_LVDS_IFCB.41 IC6_U_LVDS_IFCA.20 IC6_U_LVDS_IFCA.22 IC6_U_LVDS_IFCA.39 IC6_U_LVDS_IFCA.41 IC6_U_LVDS_IFCB.20 IC6_U_LVDS_IFCB.22 IC6_U_LVDS_IFCB.39 IC6_U_LVDS_IFCB.41 R30.1 R31.1 | length 122.3
  L1 w0.152: v1(45.944,58.675) 47.001,58.675 47.141,58.535 48.077,58.535 48.218,58.675 48.855,58.675 ; v1(45.944,70.213) 45.944,70.313 46.373,70.741 48.855,70.741 49.116,70.481 49.116,69.11 ; v1(47.051,40.488) 47.102,40.438 49.781,40.438 ; v1(47.633,21.238) 48.906,21.238 49.306,20.838 49.306,19.672 ; v1(47.633,27.988) 48.263,27.988 48.468,27.783 49.099,27.783 49.444,28.129 49.444,29.038 ; R30.1@47.835,7.638 R31.1@49.154,7.638 49.594,8.078 v1(49.594,8.988) 49.594,10.586 49.417,10.763 ; IC6_U_LVDS_IFCA.39@48.594,11.588 48.594,11.248 48.668,11.174 48.668,11.164 48.807,11.025 48.807,10.852 48.896,10.763 49.417,10.763 ; IC6_U_LVDS_IFCA.22@48.594,18.488 48.594,19.092 48.807,19.305 48.807,19.311 49.168,19.672 49.306,19.672 ; IC1_U_LVDS_IFCA.39@48.919,61.338 48.919,60.663 48.944,60.638 ; IC1_U_LVDS_IFCA.22@48.919,68.238 48.919,68.913 49.116,69.11 ; IC6_U_LVDS_IFCB.39@49.444,30.413 49.444,29.038 ; IC6_U_LVDS_IFCB.22@49.444,37.313 49.444,38.088 49.781,38.425 ; IC6_U_LVDS_IFCA.41@49.594,11.588 49.594,10.888 49.468,10.763 49.417,10.763 ; IC6_U_LVDS_IFCA.20@49.594,18.488 49.594,19.522 49.444,19.672 49.306,19.672 ; IC1_U_LVDS_IFCA.41@49.919,61.338 49.919,60.727 49.83,60.638 48.944,60.638 ; IC1_U_LVDS_IFCA.20@49.919,68.238 49.919,69.02 49.83,69.11 49.116,69.11 ; IC1_U_LVDS_IFCB.39@49.944,46.658 49.944,46.318 50.018,46.244 50.018,46.064 v1(50.506,45.576) ; IC6_U_LVDS_IFCB.41@50.444,30.413 50.441,30.411 50.441,29.14 50.34,29.038 49.444,29.038 ; IC6_U_LVDS_IFCB.20@50.444,37.313 50.444,38.191 50.355,38.28 50.052,38.28 49.907,38.425 49.781,38.425 ; IC1_U_LVDS_IFCB.41@50.944,46.658 50.919,46.633 50.919,45.863 50.632,45.576 v1(50.506,45.576) ; IC1_U_LVDS_IFCB.20@50.944,53.558 50.919,53.533 50.919,52.858 50.709,52.648 50.127,52.648 49.944,52.831 IC1_U_LVDS_IFCB.22@49.944,53.558 49.941,53.561 49.941,57.589 48.855,58.675 ; 48.855,58.675 48.944,58.765 48.944,60.638 ; 49.781,38.425 49.781,40.438 ; 49.781,40.438 49.781,42.45 50.569,43.238 50.569,45.513 v1(50.506,45.576)
  L4 w0.152: v1(45.944,70.213) 45.944,70.092 45.441,69.589 45.441,62.398 45.944,61.895 v1(45.944,58.675) 48.294,56.325 48.294,53.355 47.794,52.855 47.794,47.358 49.576,45.576 v1(50.506,45.576) ; v1(47.051,40.488) 47.051,34.548 47.633,33.966 v1(47.633,27.988) v1(47.633,21.238) 47.633,20.354 47.291,20.011 47.291,13.974 45.691,12.374 45.691,11.28 45.694,11.277 45.694,10.589 45.691,10.586 45.691,9.968 46.671,8.988 v1(49.594,8.988)
GND: B1.1 B4.1 B10_DIO_A.1 B10_DIO_B.1 C1_U_LVDS_IFCA.1 C1_U_LVDS_IFCB.1 C2_U_LVDS_IFCA.1 C2_U_LVDS_IFCB.1 C3_U_LVDS_IFCA.1 C3_U_LVDS_IFCB.1 C4_U_LVDS_IFCA.1 C4_U_LVDS_IFCB.1 C5.2 C6.2 C7_U_LVDS_IFCA.1 C7_U_LVDS_IFCB.1 C8_U_LVDS_IFCA.1 C8_U_LVDS_IFCB.1 C9_U_LVDS_IFCA.1 C9_U_LVDS_IFCB.1 C10_U_LVDS_IFCA.1 C10_U_LVDS_IFCB.1 C11_U_LVDS_IFCA.1 C11_U_LVDS_IFCB.1 C12_DIO_A.1 C12_DIO_B.1 C13.2 C14.1 C15_U_LVDS_IFCA.1 C15_U_LVDS_IFCB.1 C21_DIO_A.1 C21_DIO_B.1 C22_DIO_A.1 C22_DIO_B.1 C23_DIO_A.1 C23_DIO_B.1 C24_DIO_A.1 C24_DIO_B.1 C37.1 C38.1 C48_DIO_A.1 C48_DIO_B.1 C49_DIO_A.1 C49_DIO_B.1 C50_DIO_A.1 C50_DIO_B.1 C51_DIO_A.1 C51_DIO_B.1 C52_DIO_A.2 C52_DIO_B.2 C93.1 C95.1 C121.1 C123.1 D1_DIO_A.1 D1_DIO_B.1 D2_DIO_A.1 D2_DIO_B.1 D3_U_LVDS_IFCA.1 D3_U_LVDS_IFCB.1 IC1_U_LVDS_IFCA.6 IC1_U_LVDS_IFCA.7 IC1_U_LVDS_IFCA.18 IC1_U_LVDS_IFCA.23 IC1_U_LVDS_IFCA.27 IC1_U_LVDS_IFCA.31 IC1_U_LVDS_IFCA.34 IC1_U_LVDS_IFCA.38 IC1_U_LVDS_IFCA.43 IC1_U_LVDS_IFCA.49 IC1_U_LVDS_IFCB.6 IC1_U_LVDS_IFCB.7 IC1_U_LVDS_IFCB.18 IC1_U_LVDS_IFCB.23 IC1_U_LVDS_IFCB.27 IC1_U_LVDS_IFCB.31 IC1_U_LVDS_IFCB.34 IC1_U_LVDS_IFCB.38 IC1_U_LVDS_IFCB.43 IC1_U_LVDS_IFCB.49 IC2_DIO_A.4 IC2_DIO_A.10 IC2_DIO_A.15 IC2_DIO_A.21 IC2_DIO_A.28 IC2_DIO_A.34 IC2_DIO_A.39 IC2_DIO_A.45 IC2_DIO_B.4 IC2_DIO_B.10 IC2_DIO_B.15 IC2_DIO_B.21 IC2_DIO_B.28 IC2_DIO_B.34 IC2_DIO_B.39 IC2_DIO_B.45 IC3_U_LVDS_IFCA.4 IC3_U_LVDS_IFCB.4 IC6_U_LVDS_IFCA.6 IC6_U_LVDS_IFCA.7 IC6_U_LVDS_IFCA.18 IC6_U_LVDS_IFCA.23 IC6_U_LVDS_IFCA.27 IC6_U_LVDS_IFCA.31 IC6_U_LVDS_IFCA.34 IC6_U_LVDS_IFCA.38 IC6_U_LVDS_IFCA.43 IC6_U_LVDS_IFCA.49 IC6_U_LVDS_IFCB.6 IC6_U_LVDS_IFCB.7 IC6_U_LVDS_IFCB.18 IC6_U_LVDS_IFCB.23 IC6_U_LVDS_IFCB.27 IC6_U_LVDS_IFCB.31 IC6_U_LVDS_IFCB.34 IC6_U_LVDS_IFCB.38 IC6_U_LVDS_IFCB.43 IC6_U_LVDS_IFCB.49 IC8_U_LVDS_IFCA.2 IC8_U_LVDS_IFCB.2 IC12.1 IC12.3 IC13.1 IC13.8 J1.2 J1.4 J1.5 J1.7 J1.8 J1.10 J1.11 J1.13 J1.14 J1.16 J1.17 J1.19 J1.20 J1.22 J1.23 J2_U_LVDS_IFCA.1 J2_U_LVDS_IFCA.4 J2_U_LVDS_IFCA.7 J2_U_LVDS_IFCA.10 J2_U_LVDS_IFCA.13 J2_U_LVDS_IFCA.16 J2_U_LVDS_IFCA.19 J2_U_LVDS_IFCA.22 J2_U_LVDS_IFCA.25 J2_U_LVDS_IFCB.1 J2_U_LVDS_IFCB.4 J2_U_LVDS_IFCB.7 J2_U_LVDS_IFCB.10 J2_U_LVDS_IFCB.13 J2_U_LVDS_IFCB.16 J2_U_LVDS_IFCB.19 J2_U_LVDS_IFCB.22 J2_U_LVDS_IFCB.25 J3_DIO_A.2 J3_DIO_B.2 J4_DIO_A.2 J4_DIO_B.2 J5_DIO_A.2 J5_DIO_B.2 J6_DIO_A.2 J6_DIO_B.2 LD4.1 LD7.1 LD9.1 LD15_DIO_A.1 LD15_DIO_B.1 LD16_DIO_A.1 LD16_DIO_B.1 LD17_DIO_A.1 LD17_DIO_B.1 LD18_DIO_A.1 LD18_DIO_B.1 R19_DIO_A.1 R19_DIO_B.1 R20_DIO_A.1 R20_DIO_B.1 R22_DIO_A.1 R22_DIO_B.1 R23_DIO_A.1 R23_DIO_B.1 R31.2 R34.1 R35.1 R103.2 R140_DIO_A.1 R140_DIO_B.1 R143_DIO_A.1 R143_DIO_B.1 R146_DIO_A.1 R146_DIO_B.1 R149_DIO_A.1 R149_DIO_B.1 SW1.5 SW1.6 SW1.7 SW1.8 T1_DIO_A.2 T1_DIO_B.2 T2_DIO_A.2 T2_DIO_B.2 T3_DIO_A.2 T3_DIO_B.2 T4_DIO_A.2 T4_DIO_B.2 T5.2 | length 255.3